# Altium PCB SAMW25_Xplained_Pro.PcbDoc (part 8 of 9)
Units mm, origin at the board's own origin, x right, y up, seen from the top; angles counter-clockwise.
Board outline 60 x 60 mm, 4 copper layers (Top Layer LF-signals, GND, POWER, Bottom Layer LF-signals), stack 1.602 mm thick; 139 components, 107 nets, 540 pads, 303 vias.
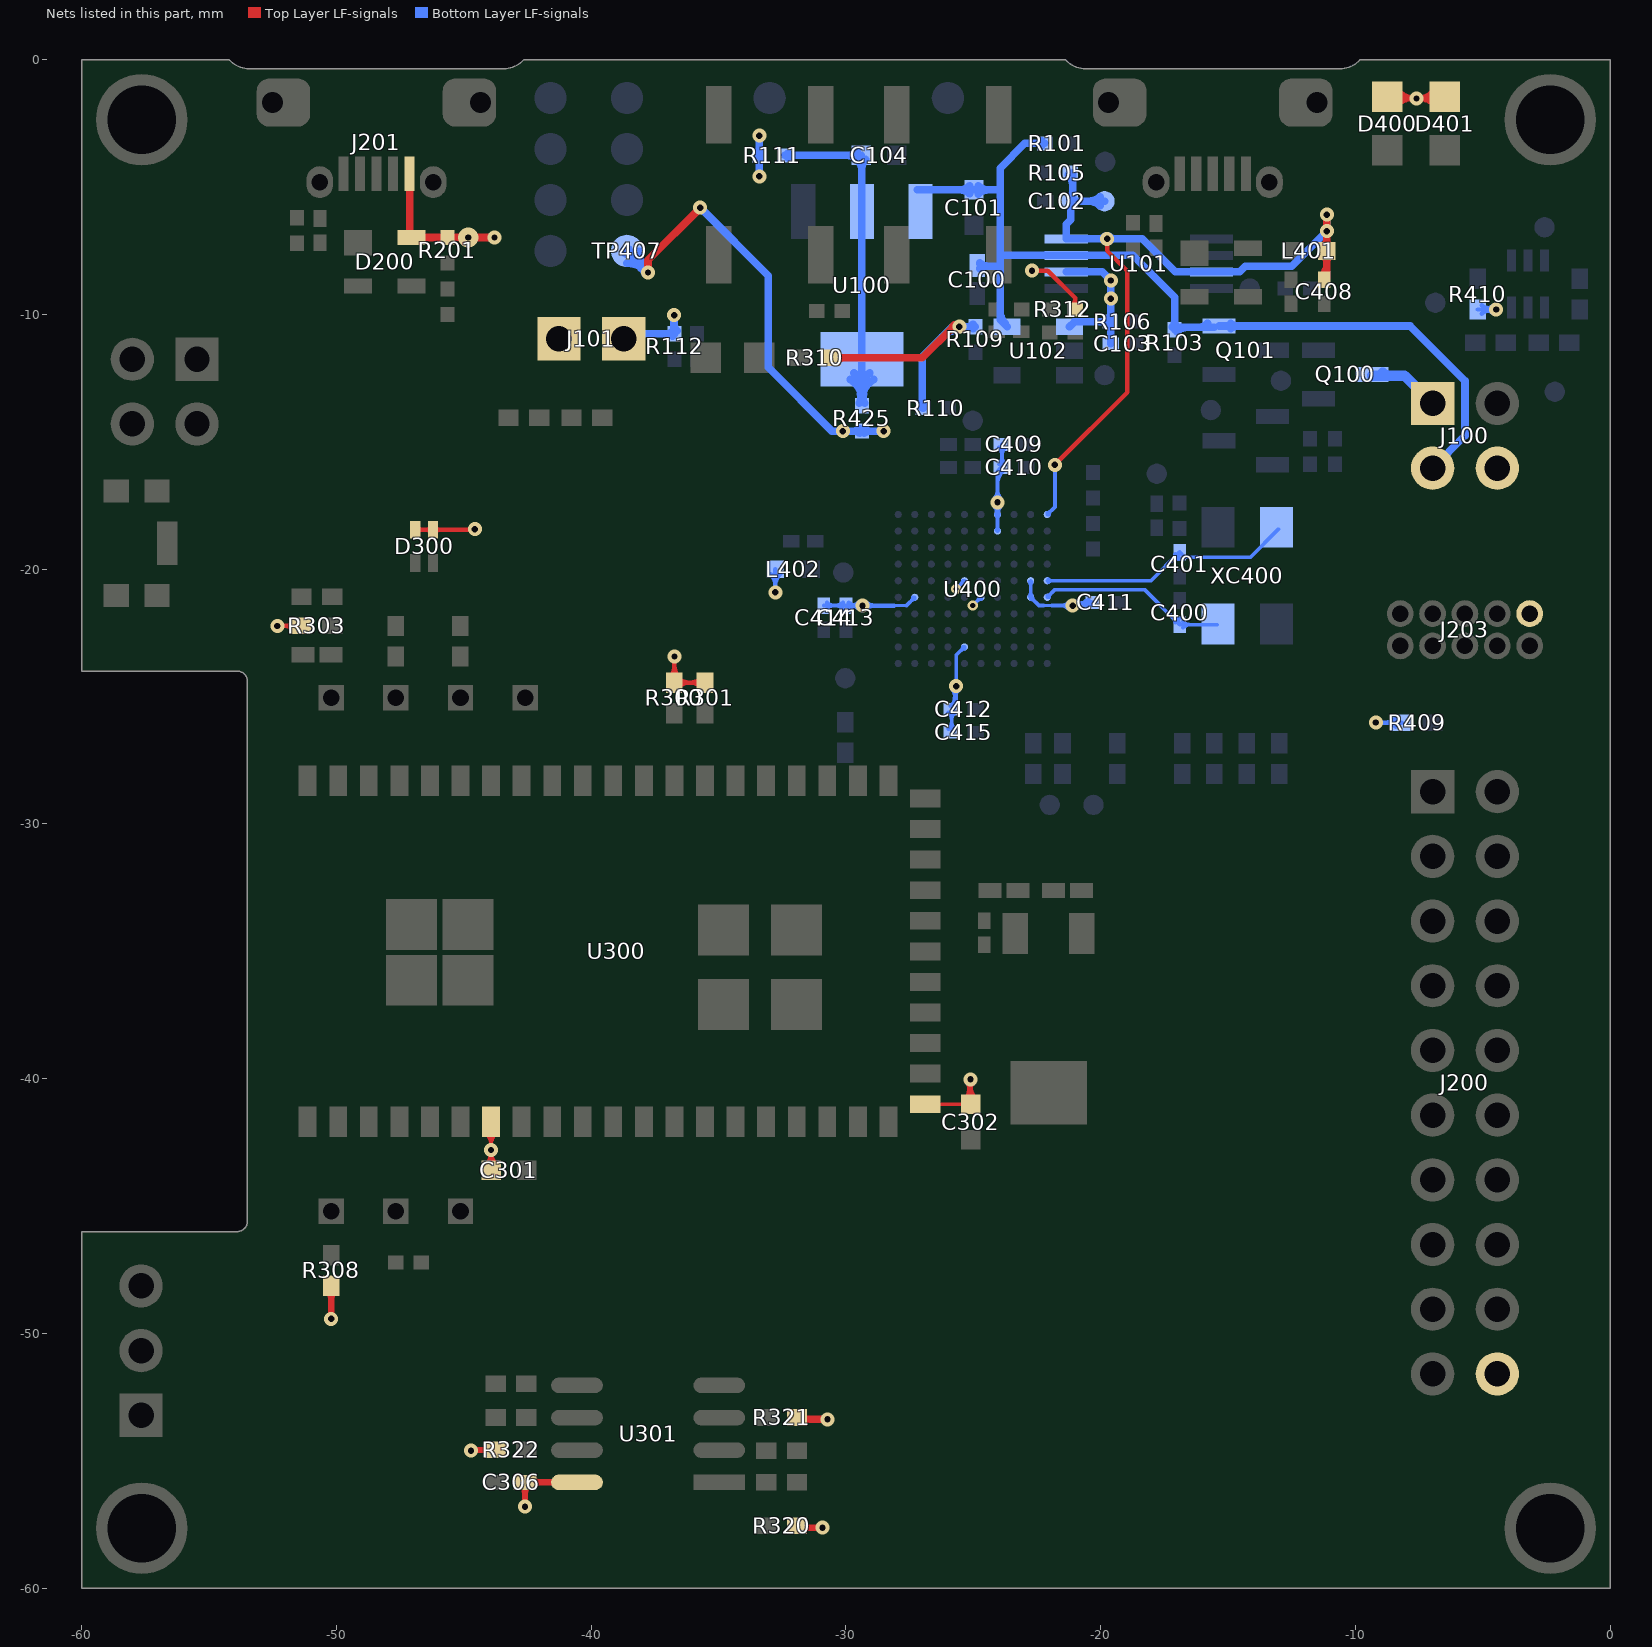
[diagram p10: the nets of this part, all layers, seen from the top]

## Via types
v1: diameter 0.55, hole 0.25, Top Layer LF-signals to Bottom Layer LF-signals, tented both sides, 213 vias
v2: diameter 0.55, hole 0.25, Top Layer LF-signals to Bottom Layer LF-signals, 46 vias
v3: diameter 0.55/0.8 (per signal layer), hole 0.25, Top Layer LF-signals to Bottom Layer LF-signals, tented top, 18 vias
v4: diameter 0.4, hole 0.2, Top Layer LF-signals to Bottom Layer LF-signals, 15 vias
v5: diameter 0.55, hole 0.25, Top Layer LF-signals to Bottom Layer LF-signals, tented top, 8 vias
v6: diameter 0.6, hole 0.3, Top Layer LF-signals to Bottom Layer LF-signals, tented both sides, 3 vias

## Nets (pads, with @x,y where several pads share a name; then routed paths per layer and width w, separated by ;. In a path a pad name is that pad's centre, name@x,y a point inside that pad or via, vN(x,y) a via of type N, cw(c..) or ccw(c..) an arc to the next point about the centre after c; other vN are vias at no path point) (continued)
VCC_EDBG_P3V3: C409.1 C410.1 C411.1 C412.1 C413.1 C414.1 C415.1 D400.2 D401.2 L402.1 R409.2 R410.2 R425.1 TP407.1 U400.B5 U400.B6 U400.D9 U400.D10 U400.E5 U400.F2 U400.F6 U400.J5 | length 135.6
  Top Layer LF-signals w0.2: D400.2@-8.756,-1.518 v1(-7.6,-1.518) ; D401.2@-6.47,-1.518 v1(-7.6,-1.518) ; D400.2@-8.512,-1.268 ccw(c-8.005,-0.88) -8.005,-1.518 ; D400.2@-8.512,-1.268 ccw(c-8.005,-0.88) -8.005,-1.518 ; D400.2@-8.512,-1.268 ccw(c-8.005,-0.88) -8.005,-1.518 ; D400.2@-8.396,-1.804 cw(c-7.707,-2.493) v1@-7.707,-1.518 ; D400.2@-8.396,-1.804 cw(c-7.707,-2.493) v1@-7.707,-1.518 ; D400.2@-8.396,-1.804 cw(c-7.707,-2.493) v1@-7.707,-1.518 ; D400.2@-8.353,-1.146 ccw(c-7.6,-0.57) v1(-7.6,-1.518) ; D400.2@-8.353,-1.146 ccw(c-7.6,-0.57) v1(-7.6,-1.518) ; D400.2@-8.353,-1.146 ccw(c-7.6,-0.57) v1(-7.6,-1.518) ; v1(-7.6,-1.518) ccw(c-7.6,-0.669) D401.2@-6.908,-1.161 ; v1(-7.6,-1.518) ccw(c-7.6,-0.669) D401.2@-6.908,-1.161 ; v1(-7.6,-1.518) ccw(c-7.6,-0.669) D401.2@-6.908,-1.161 ; v1@-7.543,-1.518 cw(c-7.543,-2.493) D401.2@-6.854,-1.804 ; v1@-7.543,-1.518 cw(c-7.543,-2.493) D401.2@-6.854,-1.804 ; v1@-7.543,-1.518 cw(c-7.543,-2.493) D401.2@-6.854,-1.804 ; -7.213,-1.518 ccw(c-7.213,-0.944) D401.2@-6.745,-1.276 ; -7.213,-1.518 ccw(c-7.213,-0.944) D401.2@-6.745,-1.276 ; -7.213,-1.518 ccw(c-7.213,-0.944) D401.2@-6.745,-1.276
  Top Layer LF-signals w0.3: v1(-37.775,-8.35) -37.775,-7.875 v1@-35.713,-5.813
  Bottom Layer LF-signals w0.125: -28.115,-21.425 -27.625,-21.425 ; -25.675,-23.85 -25.675,-23.375 ; -22.247,-21.425 -21.925,-21.425
  Bottom Layer LF-signals w0.15: C414.1@-30.875,-21.425 C413.1@-30,-21.425 ; -27.625,-21.425 U400.J5@-27.3,-21.1 ; C415.1@-25.85,-26.4 C412.1@-25.85,-25.5 -25.675,-25.325 -25.675,-23.85 ; -25.675,-23.375 U400.F2@-25.35,-23.05 ; v4(-25.675,-20.775) U400.F6@-25.35,-20.45 ; v4(-25.025,-21.425) U400.E5@-24.7,-21.1 ; U400.D9@-24.05,-18.5 U400.D10@-24.05,-17.85 ; C410.1@-24.05,-16.175 v1(-24.05,-17.373) U400.D10@-24.05,-17.85 ; C410.1@-23.875,-16 C409.1@-23.875,-15.1 ; U400.B6@-22.75,-20.45 U400.B5@-22.75,-21.1 -22.425,-21.425 -22.247,-21.425 ; -21.925,-21.425 v1(-21.1,-21.425) -20.4,-21.425 C411.1@-20.275,-21.3 ; C414.1@-30.751,-21.549 cw(c-30.453,-21.847) -30.453,-21.425 ; C414.1@-30.751,-21.549 cw(c-30.453,-21.847) -30.453,-21.425 ; C414.1@-30.751,-21.549 cw(c-30.453,-21.847) -30.453,-21.425 ; C414.1@-30.751,-21.301 ccw(c-30.453,-21.003) -30.453,-21.425 ; C414.1@-30.751,-21.301 ccw(c-30.453,-21.003) -30.453,-21.425 ; C414.1@-30.751,-21.301 ccw(c-30.453,-21.003) -30.453,-21.425 ; -30.422,-21.425 cw(c-30.422,-21.847) C413.1@-30.124,-21.549 ; -30.422,-21.425 ccw(c-30.422,-21.003) C413.1@-30.124,-21.301 ; -30.422,-21.425 ccw(c-30.422,-21.003) C413.1@-30.124,-21.301 ; -30.422,-21.425 cw(c-30.422,-21.847) C413.1@-30.124,-21.549 ; -30.422,-21.425 ccw(c-30.422,-21.003) C413.1@-30.124,-21.301 ; -30.422,-21.425 cw(c-30.422,-21.847) C413.1@-30.124,-21.549 ; -27.411,-21.211 cw(c-27.3,-21.322) U400.J5@-27.3,-21.165 ; -27.411,-21.211 ccw(c-27.522,-21.1) U400.J5@-27.365,-21.1 ; -27.411,-21.211 ccw(c-27.522,-21.1) U400.J5@-27.365,-21.1 ; -27.411,-21.211 cw(c-27.3,-21.322) U400.J5@-27.3,-21.165 ; -27.411,-21.211 ccw(c-27.522,-21.1) U400.J5@-27.365,-21.1 ; -27.411,-21.211 cw(c-27.3,-21.322) U400.J5@-27.3,-21.165 ; C415.1@-25.974,-26.276 ccw(c-26.272,-25.978) -25.85,-25.978 ; C415.1@-25.974,-26.276 ccw(c-26.272,-25.978) -25.85,-25.978 ; C415.1@-25.974,-26.276 ccw(c-26.272,-25.978) -25.85,-25.978 ; C412.1@-25.974,-25.624 cw(c-26.272,-25.922) -25.85,-25.922 ; C412.1@-25.974,-25.624 cw(c-26.272,-25.922) -25.85,-25.922 ; C412.1@-25.974,-25.624 cw(c-26.272,-25.922) -25.85,-25.922 ; C412.1@-25.899,-25.376 ccw(c-26.439,-24.836) v1@-25.675,-24.836 ; C412.1@-25.899,-25.376 ccw(c-26.439,-24.836) v1@-25.675,-24.836 ; C412.1@-25.899,-25.376 ccw(c-26.439,-24.836) v1@-25.675,-24.836 ; -25.85,-25.978 ccw(c-25.428,-25.978) C415.1@-25.726,-26.276 ; -25.85,-25.978 ccw(c-25.428,-25.978) C415.1@-25.726,-26.276 ; -25.85,-25.978 ccw(c-25.428,-25.978) C415.1@-25.726,-26.276 ; -25.85,-25.922 cw(c-25.428,-25.922) C412.1@-25.726,-25.624 ; -25.85,-25.922 cw(c-25.428,-25.922) C412.1@-25.726,-25.624 ; -25.85,-25.922 cw(c-25.428,-25.922) C412.1@-25.726,-25.624 ; v1@-25.831,-24.712 cw(c-26.185,-24.993) -25.748,-25.11 ; v1@-25.831,-24.712 cw(c-26.185,-24.993) -25.748,-25.11 ; v1@-25.831,-24.712 cw(c-26.185,-24.993) -25.748,-25.11 ; v1@-25.831,-24.712 cw(c-26.185,-24.993) -25.748,-25.11 ; v1@-25.831,-24.712 cw(c-26.185,-24.993) -25.748,-25.11 ; v1@-25.831,-24.712 cw(c-26.185,-24.993) -25.748,-25.11 ; C412.1@-25.793,-25.482 ccw(c-26.077,-25.198) -25.675,-25.198 ; C412.1@-25.793,-25.482 ccw(c-26.077,-25.198) -25.675,-25.198 ; C412.1@-25.793,-25.482 ccw(c-26.077,-25.198) -25.675,-25.198 ; -25.698,-24.921 cw(c-25.443,-24.989) v1@-25.575,-24.761 ; -25.698,-24.921 cw(c-25.443,-24.989) v1@-25.575,-24.761 ; -25.698,-24.921 cw(c-25.443,-24.989) v1@-25.575,-24.761 ; -25.698,-24.921 cw(c-25.443,-24.989) v1@-25.575,-24.761 ; -25.698,-24.921 cw(c-25.443,-24.989) v1@-25.575,-24.761 ; -25.698,-24.921 cw(c-25.443,-24.989) v1@-25.575,-24.761 ; -25.461,-23.161 cw(c-25.35,-23.272) U400.F2@-25.35,-23.115 ; -25.461,-23.161 ccw(c-25.572,-23.05) U400.F2@-25.415,-23.05 ; -25.461,-23.161 ccw(c-25.572,-23.05) U400.F2@-25.415,-23.05 ; -25.461,-23.161 cw(c-25.35,-23.272) U400.F2@-25.35,-23.115 ; -25.461,-23.161 ccw(c-25.572,-23.05) U400.F2@-25.415,-23.05 ; -25.461,-23.161 cw(c-25.35,-23.272) U400.F2@-25.35,-23.115 ; -25.461,-20.561 cw(c-25.35,-20.672) U400.F6@-25.35,-20.515 ; -25.461,-20.561 ccw(c-25.572,-20.45) U400.F6@-25.415,-20.45 ; -25.461,-20.561 ccw(c-25.572,-20.45) U400.F6@-25.415,-20.45 ; -25.461,-20.561 cw(c-25.35,-20.672) U400.F6@-25.35,-20.515 ; -25.461,-20.561 ccw(c-25.572,-20.45) U400.F6@-25.415,-20.45 ; -25.461,-20.561 cw(c-25.35,-20.672) U400.F6@-25.35,-20.515 ; -24.811,-21.211 cw(c-24.7,-21.322) U400.E5@-24.7,-21.165 ; -24.811,-21.211 ccw(c-24.922,-21.1) U400.E5@-24.765,-21.1 ; -24.811,-21.211 ccw(c-24.922,-21.1) U400.E5@-24.765,-21.1 ; -24.811,-21.211 cw(c-24.7,-21.322) U400.E5@-24.7,-21.165 ; -24.811,-21.211 ccw(c-24.922,-21.1) U400.E5@-24.765,-21.1 ; -24.811,-21.211 cw(c-24.7,-21.322) U400.E5@-24.7,-21.165 ; v1@-24.19,-17.515 cw(c-24.52,-17.85) U400.D10@-24.05,-17.85 ; v1@-24.19,-17.515 cw(c-24.52,-17.85) U400.D10@-24.05,-17.85 ; v1@-24.19,-17.515 cw(c-24.52,-17.85) U400.D10@-24.05,-17.85 ; v1@-24.191,-17.231 ccw(c-24.533,-16.89) -24.05,-16.89 ; v1@-24.191,-17.231 ccw(c-24.533,-16.89) -24.05,-16.89 ; v1@-24.191,-17.231 ccw(c-24.533,-16.89) -24.05,-16.89 ; U400.D10@-24.106,-17.817 ccw(c-24.242,-17.739) -24.091,-17.698 ; U400.D10@-24.106,-17.817 ccw(c-24.242,-17.739) -24.091,-17.698 ; U400.D10@-24.106,-17.817 ccw(c-24.242,-17.739) -24.091,-17.698 ; U400.D9@-24.096,-18.454 ccw(c-24.207,-18.343) -24.05,-18.343 ; U400.D9@-24.096,-18.454 ccw(c-24.207,-18.343) -24.05,-18.343 ; U400.D9@-24.096,-18.454 ccw(c-24.207,-18.343) -24.05,-18.343 ; U400.D10@-24.096,-17.896 cw(c-24.207,-18.007) -24.05,-18.007 ; U400.D10@-24.096,-17.896 cw(c-24.207,-18.007) -24.05,-18.007 ; U400.D10@-24.096,-17.896 cw(c-24.207,-18.007) -24.05,-18.007 ; U400.D10@-24.096,-17.804 ccw(c-24.207,-17.693) -24.05,-17.693 ; U400.D10@-24.096,-17.804 ccw(c-24.207,-17.693) -24.05,-17.693 ; U400.D10@-24.096,-17.804 ccw(c-24.207,-17.693) -24.05,-17.693 ; -24.091,-17.698 ccw(c-23.939,-17.658) U400.D10@-24.018,-17.794 ; -24.091,-17.698 ccw(c-23.939,-17.658) U400.D10@-24.018,-17.794 ; -24.091,-17.698 ccw(c-23.939,-17.658) U400.D10@-24.018,-17.794 ; U400.D10@-24.083,-17.794 ccw(c-24.161,-17.658) -24.009,-17.698 ; U400.D10@-24.083,-17.794 ccw(c-24.161,-17.658) -24.009,-17.698 ; U400.D10@-24.083,-17.794 ccw(c-24.161,-17.658) -24.009,-17.698 ; -24.05,-18.343 ccw(c-23.893,-18.343) U400.D9@-24.004,-18.454 ; -24.05,-18.343 ccw(c-23.893,-18.343) U400.D9@-24.004,-18.454 ; -24.05,-18.343 ccw(c-23.893,-18.343) U400.D9@-24.004,-18.454 ; -24.05,-18.007 cw(c-23.893,-18.007) U400.D10@-24.004,-17.896 ; -24.05,-18.007 cw(c-23.893,-18.007) U400.D10@-24.004,-17.896 ; -24.05,-18.007 cw(c-23.893,-18.007) U400.D10@-24.004,-17.896 ; U400.D10@-24.05,-17.85 cw(c-23.58,-17.85) v1@-23.91,-17.515 ; U400.D10@-24.05,-17.85 cw(c-23.58,-17.85) v1@-23.91,-17.515 ; U400.D10@-24.05,-17.85 cw(c-23.58,-17.85) v1@-23.91,-17.515 ; -24.05,-17.693 ccw(c-23.893,-17.693) U400.D10@-24.004,-17.804 ; -24.05,-17.693 ccw(c-23.893,-17.693) U400.D10@-24.004,-17.804 ; -24.05,-17.693 ccw(c-23.893,-17.693) U400.D10@-24.004,-17.804 ; -24.05,-16.89 ccw(c-23.567,-16.89) v1@-23.909,-17.231 ; -24.05,-16.89 ccw(c-23.567,-16.89) v1@-23.909,-17.231 ; -24.05,-16.89 ccw(c-23.567,-16.89) v1@-23.909,-17.231 ; -24.05,-16.664 cw(c-23.286,-16.664) C410.1@-23.826,-16.124 ; -24.05,-16.664 cw(c-23.286,-16.664) C410.1@-23.826,-16.124 ; -24.05,-16.664 cw(c-23.286,-16.664) C410.1@-23.826,-16.124 ; -24.05,-16.302 cw(c-23.648,-16.302) C410.1@-23.932,-16.018 ; -24.05,-16.302 cw(c-23.648,-16.302) C410.1@-23.932,-16.018 ; -24.05,-16.302 cw(c-23.648,-16.302) C410.1@-23.932,-16.018 ; -24.009,-17.698 ccw(c-23.858,-17.739) U400.D10@-23.994,-17.817 ; -24.009,-17.698 ccw(c-23.858,-17.739) U400.D10@-23.994,-17.817 ; -24.009,-17.698 ccw(c-23.858,-17.739) U400.D10@-23.994,-17.817 ; C410.1@-23.999,-15.876 ccw(c-24.297,-15.578) -23.875,-15.578 ; C410.1@-23.999,-15.876 ccw(c-24.297,-15.578) -23.875,-15.578 ; C410.1@-23.999,-15.876 ccw(c-24.297,-15.578) -23.875,-15.578 ; C409.1@-23.999,-15.224 cw(c-24.297,-15.522) -23.875,-15.522 ; C409.1@-23.999,-15.224 cw(c-24.297,-15.522) -23.875,-15.522 ; C409.1@-23.999,-15.224 cw(c-24.297,-15.522) -23.875,-15.522 ; -23.875,-15.578 ccw(c-23.453,-15.578) C410.1@-23.751,-15.876 ; -23.875,-15.578 ccw(c-23.453,-15.578) C410.1@-23.751,-15.876 ; -23.875,-15.578 ccw(c-23.453,-15.578) C410.1@-23.751,-15.876 ; -23.875,-15.522 cw(c-23.453,-15.522) C409.1@-23.751,-15.224 ; -23.875,-15.522 cw(c-23.453,-15.522) C409.1@-23.751,-15.224 ; -23.875,-15.522 cw(c-23.453,-15.522) C409.1@-23.751,-15.224 ; U400.B5@-22.796,-21.054 ccw(c-22.907,-20.943) -22.75,-20.943 ; U400.B5@-22.796,-21.054 ccw(c-22.907,-20.943) -22.75,-20.943 ; U400.B5@-22.796,-21.054 ccw(c-22.907,-20.943) -22.75,-20.943 ; U400.B6@-22.796,-20.496 cw(c-22.907,-20.607) -22.75,-20.607 ; U400.B6@-22.796,-20.496 cw(c-22.907,-20.607) -22.75,-20.607 ; U400.B6@-22.796,-20.496 cw(c-22.907,-20.607) -22.75,-20.607 ; U400.B5@-22.75,-21.165 cw(c-22.75,-21.322) -22.639,-21.211 ; U400.B5@-22.75,-21.165 cw(c-22.75,-21.322) -22.639,-21.211 ; U400.B5@-22.75,-21.165 cw(c-22.75,-21.322) -22.639,-21.211 ; -22.75,-20.943 ccw(c-22.593,-20.943) U400.B5@-22.704,-21.054 ; -22.75,-20.943 ccw(c-22.593,-20.943) U400.B5@-22.704,-21.054 ; -22.75,-20.943 ccw(c-22.593,-20.943) U400.B5@-22.704,-21.054 ; -22.75,-20.607 cw(c-22.593,-20.607) U400.B6@-22.704,-20.496 ; -22.75,-20.607 cw(c-22.593,-20.607) U400.B6@-22.704,-20.496 ; -22.75,-20.607 cw(c-22.593,-20.607) U400.B6@-22.704,-20.496 ; U400.B5@-22.685,-21.1 ccw(c-22.528,-21.1) -22.639,-21.211 ; U400.B5@-22.685,-21.1 ccw(c-22.528,-21.1) -22.639,-21.211 ; U400.B5@-22.685,-21.1 ccw(c-22.528,-21.1) -22.639,-21.211 ; -21.583,-21.425 cw(c-21.583,-21.908) v1@-21.241,-21.566 ; -21.583,-21.425 ccw(c-21.583,-20.942) v1@-21.241,-21.284 ; -21.583,-21.425 ccw(c-21.583,-20.942) v1@-21.241,-21.284 ; -21.583,-21.425 cw(c-21.583,-21.908) v1@-21.241,-21.566 ; -21.583,-21.425 ccw(c-21.583,-20.942) v1@-21.241,-21.284 ; -21.583,-21.425 cw(c-21.583,-21.908) v1@-21.241,-21.566 ; v1@-21.074,-21.425 ccw(c-21.074,-20.576) C411.1@-20.474,-21.176 ; v1@-21.074,-21.425 ccw(c-21.074,-20.576) C411.1@-20.474,-21.176 ; v1@-21.074,-21.425 ccw(c-21.074,-20.576) C411.1@-20.474,-21.176 ; v1@-20.988,-21.259 ccw(c-20.764,-20.928) -20.661,-21.314 ; v1@-20.988,-21.259 ccw(c-20.764,-20.928) -20.661,-21.314 ; v1@-20.988,-21.259 ccw(c-20.764,-20.928) -20.661,-21.314 ; v1@-20.988,-21.259 ccw(c-20.764,-20.928) -20.661,-21.314 ; v1@-20.988,-21.259 ccw(c-20.764,-20.928) -20.661,-21.314 ; v1@-20.988,-21.259 ccw(c-20.764,-20.928) -20.661,-21.314 ; v1@-20.925,-21.521 cw(c-20.55,-21.727) -20.661,-21.314 ; v1@-20.925,-21.521 cw(c-20.55,-21.727) -20.661,-21.314 ; v1@-20.925,-21.521 cw(c-20.55,-21.727) -20.661,-21.314 ; v1@-20.925,-21.521 cw(c-20.55,-21.727) -20.661,-21.314 ; v1@-20.925,-21.521 cw(c-20.55,-21.727) -20.661,-21.314 ; v1@-20.925,-21.521 cw(c-20.55,-21.727) -20.661,-21.314 ; -20.77,-21.347 cw(c-20.662,-21.533) C411.1@-20.49,-21.405 ; -20.77,-21.347 cw(c-20.662,-21.533) C411.1@-20.49,-21.405 ; -20.77,-21.347 cw(c-20.662,-21.533) C411.1@-20.49,-21.405 ; -20.712,-21.425 ccw(c-20.712,-20.938) C411.1@-20.368,-21.282 ; -20.712,-21.425 ccw(c-20.712,-20.938) C411.1@-20.368,-21.282 ; -20.712,-21.425 ccw(c-20.712,-20.938) C411.1@-20.368,-21.282 ; -20.624,-21.263 cw(c-20.526,-21.432) C411.1@-20.37,-21.315 ; -20.624,-21.263 cw(c-20.526,-21.432) C411.1@-20.37,-21.315 ; -20.624,-21.263 cw(c-20.526,-21.432) C411.1@-20.37,-21.315
  Bottom Layer LF-signals w0.175: v1(-32.775,-20.903) L402.1@-32.775,-20 ; C413.1@-30,-21.425 v1(-29.35,-21.425) -28.115,-21.425 ; C410.1@-24.05,-16.175 C410.1@-23.875,-16 ; v1(-9.2,-26.017) R409.2@-8.176,-26.017 ; R410.2@-5.2,-9.8 v1@-4.476,-9.8 ; L402.1@-32.961,-20.186 cw(c-33.409,-20.634) v1@-32.775,-20.634 ; L402.1@-32.961,-20.186 cw(c-33.409,-20.634) v1@-32.775,-20.634 ; L402.1@-32.961,-20.186 cw(c-33.409,-20.634) v1@-32.775,-20.634 ; v1@-32.775,-20.634 cw(c-32.141,-20.634) L402.1@-32.589,-20.186 ; v1@-32.775,-20.634 cw(c-32.141,-20.634) L402.1@-32.589,-20.186 ; v1@-32.775,-20.634 cw(c-32.141,-20.634) L402.1@-32.589,-20.186 ; C413.1@-29.885,-21.54 cw(c-29.608,-21.817) v1@-29.608,-21.425 ; C413.1@-29.885,-21.54 cw(c-29.608,-21.817) v1@-29.608,-21.425 ; C413.1@-29.885,-21.54 cw(c-29.608,-21.817) v1@-29.608,-21.425 ; C413.1@-29.885,-21.31 ccw(c-29.608,-21.033) v1@-29.608,-21.425 ; C413.1@-29.885,-21.31 ccw(c-29.608,-21.033) v1@-29.608,-21.425 ; C413.1@-29.885,-21.31 ccw(c-29.608,-21.033) v1@-29.608,-21.425 ; C413.1@-29.803,-21.425 cw(c-29.803,-21.878) v1@-29.483,-21.558 ; C413.1@-29.803,-21.425 ccw(c-29.803,-20.972) v1@-29.483,-21.292 ; C413.1@-29.803,-21.425 ccw(c-29.803,-20.972) v1@-29.483,-21.292 ; C413.1@-29.803,-21.425 cw(c-29.803,-21.878) v1@-29.483,-21.558 ; C413.1@-29.803,-21.425 ccw(c-29.803,-20.972) v1@-29.483,-21.292 ; C413.1@-29.803,-21.425 cw(c-29.803,-21.878) v1@-29.483,-21.558 ; -29.692,-21.448 cw(c-29.65,-21.604) v1@-29.511,-21.521 ; -29.692,-21.448 cw(c-29.65,-21.604) v1@-29.511,-21.521 ; -29.692,-21.448 cw(c-29.65,-21.604) v1@-29.511,-21.521 ; -29.692,-21.448 cw(c-29.65,-21.604) v1@-29.511,-21.521 ; -29.692,-21.448 cw(c-29.65,-21.604) v1@-29.511,-21.521 ; -29.692,-21.448 cw(c-29.65,-21.604) v1@-29.511,-21.521 ; -29.692,-21.402 ccw(c-29.65,-21.246) v1@-29.511,-21.329 ; -29.692,-21.402 ccw(c-29.65,-21.246) v1@-29.511,-21.329 ; -29.692,-21.402 ccw(c-29.65,-21.246) v1@-29.511,-21.329 ; -29.692,-21.402 ccw(c-29.65,-21.246) v1@-29.511,-21.329 ; -29.692,-21.402 ccw(c-29.65,-21.246) v1@-29.511,-21.329 ; -29.692,-21.402 ccw(c-29.65,-21.246) v1@-29.511,-21.329 ; -29.649,-21.436 ccw(c-29.707,-21.219) v1@-29.512,-21.331 ; -29.649,-21.436 ccw(c-29.707,-21.219) v1@-29.512,-21.331 ; -29.649,-21.436 ccw(c-29.707,-21.219) v1@-29.512,-21.331 ; -29.649,-21.436 ccw(c-29.707,-21.219) v1@-29.512,-21.331 ; -29.649,-21.436 ccw(c-29.707,-21.219) v1@-29.512,-21.331 ; -29.649,-21.436 ccw(c-29.707,-21.219) v1@-29.512,-21.331 ; -29.649,-21.414 cw(c-29.707,-21.631) v1@-29.512,-21.519 ; -29.649,-21.414 cw(c-29.707,-21.631) v1@-29.512,-21.519 ; -29.649,-21.414 cw(c-29.707,-21.631) v1@-29.512,-21.519 ; -29.649,-21.414 cw(c-29.707,-21.631) v1@-29.512,-21.519 ; -29.649,-21.414 cw(c-29.707,-21.631) v1@-29.512,-21.519 ; -29.649,-21.414 cw(c-29.707,-21.631) v1@-29.512,-21.519 ; v1@-29.217,-21.558 cw(c-28.897,-21.878) -28.897,-21.425 ; v1@-29.217,-21.558 cw(c-28.897,-21.878) -28.897,-21.425 ; v1@-29.217,-21.558 cw(c-28.897,-21.878) -28.897,-21.425 ; v1@-29.217,-21.292 ccw(c-28.897,-20.972) -28.897,-21.425 ; v1@-29.217,-21.292 ccw(c-28.897,-20.972) -28.897,-21.425 ; v1@-29.217,-21.292 ccw(c-28.897,-20.972) -28.897,-21.425 ; -8.825,-26.017 cw(c-8.825,-26.59) R409.2@-8.419,-26.185 ; -8.825,-26.017 ccw(c-8.825,-25.443) R409.2@-8.419,-25.849 ; -8.825,-26.017 ccw(c-8.825,-25.443) R409.2@-8.419,-25.849 ; -8.825,-26.017 cw(c-8.825,-26.59) R409.2@-8.419,-26.185 ; -8.825,-26.017 ccw(c-8.825,-25.443) R409.2@-8.419,-25.849 ; -8.825,-26.017 cw(c-8.825,-26.59) R409.2@-8.419,-26.185 ; R410.2@-5.032,-9.968 cw(c-4.627,-10.373) v1@-4.627,-9.8 ; R410.2@-5.032,-9.968 cw(c-4.627,-10.373) v1@-4.627,-9.8 ; R410.2@-5.032,-9.968 cw(c-4.627,-10.373) v1@-4.627,-9.8 ; R410.2@-5.032,-9.632 ccw(c-4.627,-9.227) v1@-4.627,-9.8 ; R410.2@-5.032,-9.632 ccw(c-4.627,-9.227) v1@-4.627,-9.8 ; R410.2@-5.032,-9.632 ccw(c-4.627,-9.227) v1@-4.627,-9.8 ; -4.849,-9.741 ccw(c-4.787,-9.51) v1@-4.612,-9.673 ; -4.849,-9.741 ccw(c-4.787,-9.51) v1@-4.612,-9.673 ; -4.849,-9.741 ccw(c-4.787,-9.51) v1@-4.612,-9.673 ; -4.849,-9.741 ccw(c-4.787,-9.51) v1@-4.612,-9.673 ; -4.849,-9.741 ccw(c-4.787,-9.51) v1@-4.612,-9.673 ; -4.849,-9.741 ccw(c-4.787,-9.51) v1@-4.612,-9.673 ; -4.847,-9.859 cw(c-4.786,-10.085) v1@-4.613,-9.927 ; -4.847,-9.859 cw(c-4.786,-10.085) v1@-4.613,-9.927 ; -4.847,-9.859 cw(c-4.786,-10.085) v1@-4.613,-9.927 ; -4.847,-9.859 cw(c-4.786,-10.085) v1@-4.613,-9.927 ; -4.847,-9.859 cw(c-4.786,-10.085) v1@-4.613,-9.927 ; -4.847,-9.859 cw(c-4.786,-10.085) v1@-4.613,-9.927 ; -4.832,-9.745 cw(c-4.915,-10.054) v1@-4.638,-9.894 ; -4.832,-9.745 cw(c-4.915,-10.054) v1@-4.638,-9.894 ; -4.832,-9.745 cw(c-4.915,-10.054) v1@-4.638,-9.894 ; -4.832,-9.745 cw(c-4.915,-10.054) v1@-4.638,-9.894 ; -4.832,-9.745 cw(c-4.915,-10.054) v1@-4.638,-9.894 ; -4.832,-9.745 cw(c-4.915,-10.054) v1@-4.638,-9.894 ; -4.83,-9.855 ccw(c-4.912,-9.548) v1@-4.638,-9.707 ; -4.83,-9.855 ccw(c-4.912,-9.548) v1@-4.638,-9.707 ; -4.83,-9.855 ccw(c-4.912,-9.548) v1@-4.638,-9.707 ; -4.83,-9.855 ccw(c-4.912,-9.548) v1@-4.638,-9.707 ; -4.83,-9.855 ccw(c-4.912,-9.548) v1@-4.638,-9.707 ; -4.83,-9.855 ccw(c-4.912,-9.548) v1@-4.638,-9.707
  Bottom Layer LF-signals w0.3: TP407.1@-38.6,-7.525 v1(-37.775,-8.35) ; v1@-35.65,-5.875 -33.05,-8.475 -33.05,-12.075 -30.55,-14.575 v5@-28.675,-14.575 ; TP407.1@-38.6,-7.985 cw(c-38.6,-9.096) v1@-37.815,-8.31 ; TP407.1@-38.6,-7.985 cw(c-38.6,-9.096) v1@-37.815,-8.31 ; TP407.1@-38.6,-7.985 cw(c-38.6,-9.096) v1@-37.815,-8.31 ; TP407.1@-38.115,-7.508 ccw(c-36.954,-7.529) v1(-37.775,-8.35) ; TP407.1@-38.115,-7.508 ccw(c-36.954,-7.529) v1(-37.775,-8.35) ; TP407.1@-38.115,-7.508 ccw(c-36.954,-7.529) v1(-37.775,-8.35) ; -38.059,-8.169 cw(c-38.235,-8.473) v1@-37.896,-8.382 ; -38.059,-8.169 cw(c-38.235,-8.473) v1@-37.896,-8.382 ; -38.059,-8.169 cw(c-38.235,-8.473) v1@-37.896,-8.382 ; -38.059,-8.169 cw(c-38.235,-8.473) v1@-37.896,-8.382 ; -38.059,-8.169 cw(c-38.235,-8.473) v1@-37.896,-8.382 ; -38.059,-8.169 cw(c-38.235,-8.473) v1@-37.896,-8.382 ; -37.988,-8.137 cw(c-38.202,-8.35) v1@-37.9,-8.35 ; -37.988,-8.137 ccw(c-37.775,-7.923) v1@-37.775,-8.225 ; -37.988,-8.137 ccw(c-37.775,-7.923) v1@-37.775,-8.225 ; -37.988,-8.137 cw(c-38.202,-8.35) v1@-37.9,-8.35 ; -37.988,-8.137 ccw(c-37.775,-7.923) v1@-37.775,-8.225 ; -37.988,-8.137 cw(c-38.202,-8.35) v1@-37.9,-8.35 ; -37.926,-8.089 cw(c-38.187,-8.24) v1@-37.896,-8.318 ; -37.926,-8.089 ccw(c-37.665,-7.938) v1@-37.743,-8.229 ; -37.926,-8.089 cw(c-38.187,-8.24) v1@-37.896,-8.318 ; -37.926,-8.089 ccw(c-37.665,-7.938) v1@-37.743,-8.229 ; -37.926,-8.089 cw(c-38.187,-8.24) v1@-37.896,-8.318 ; -37.926,-8.089 ccw(c-37.665,-7.938) v1@-37.743,-8.229 ; -37.926,-8.089 ccw(c-37.665,-7.938) v1@-37.743,-8.229 ; -37.926,-8.089 cw(c-38.187,-8.24) v1@-37.896,-8.318 ; -37.926,-8.089 ccw(c-37.665,-7.938) v1@-37.743,-8.229 ; -37.926,-8.089 cw(c-38.187,-8.24) v1@-37.896,-8.318 ; -37.926,-8.089 ccw(c-37.665,-7.938) v1@-37.743,-8.229 ; -37.926,-8.089 cw(c-38.187,-8.24) v1@-37.896,-8.318 ; -29.677,-14.575 cw(c-29.677,-14.877) R425.1@-29.463,-14.663 ; -29.677,-14.575 ccw(c-29.677,-14.273) R425.1@-29.463,-14.487 ; -29.677,-14.575 ccw(c-29.677,-14.273) R425.1@-29.463,-14.487 ; -29.677,-14.575 cw(c-29.677,-14.877) R425.1@-29.463,-14.663 ; -29.677,-14.575 ccw(c-29.677,-14.273) R425.1@-29.463,-14.487 ; -29.677,-14.575 cw(c-29.677,-14.877) R425.1@-29.463,-14.663 ; R425.1@-29.287,-14.663 cw(c-29.073,-14.877) -29.073,-14.575 ; R425.1@-29.287,-14.663 cw(c-29.073,-14.877) -29.073,-14.575 ; R425.1@-29.287,-14.663 cw(c-29.073,-14.877) -29.073,-14.575 ; R425.1@-29.287,-14.487 ccw(c-29.073,-14.273) -29.073,-14.575 ; R425.1@-29.287,-14.487 ccw(c-29.073,-14.273) -29.073,-14.575 ; R425.1@-29.287,-14.487 ccw(c-29.073,-14.273) -29.073,-14.575
  Bottom Layer LF-signals w0.5: TP407.1@-38.6,-7.525 TP407.1@-38.6,-7.5
  other v1: -25.675,-24.588 -4.475,-9.8 -35.725,-5.8
  other v5: -30.125,-14.575 -28.525,-14.575